# KiCad board Erebus.kicad_pcb (continued)
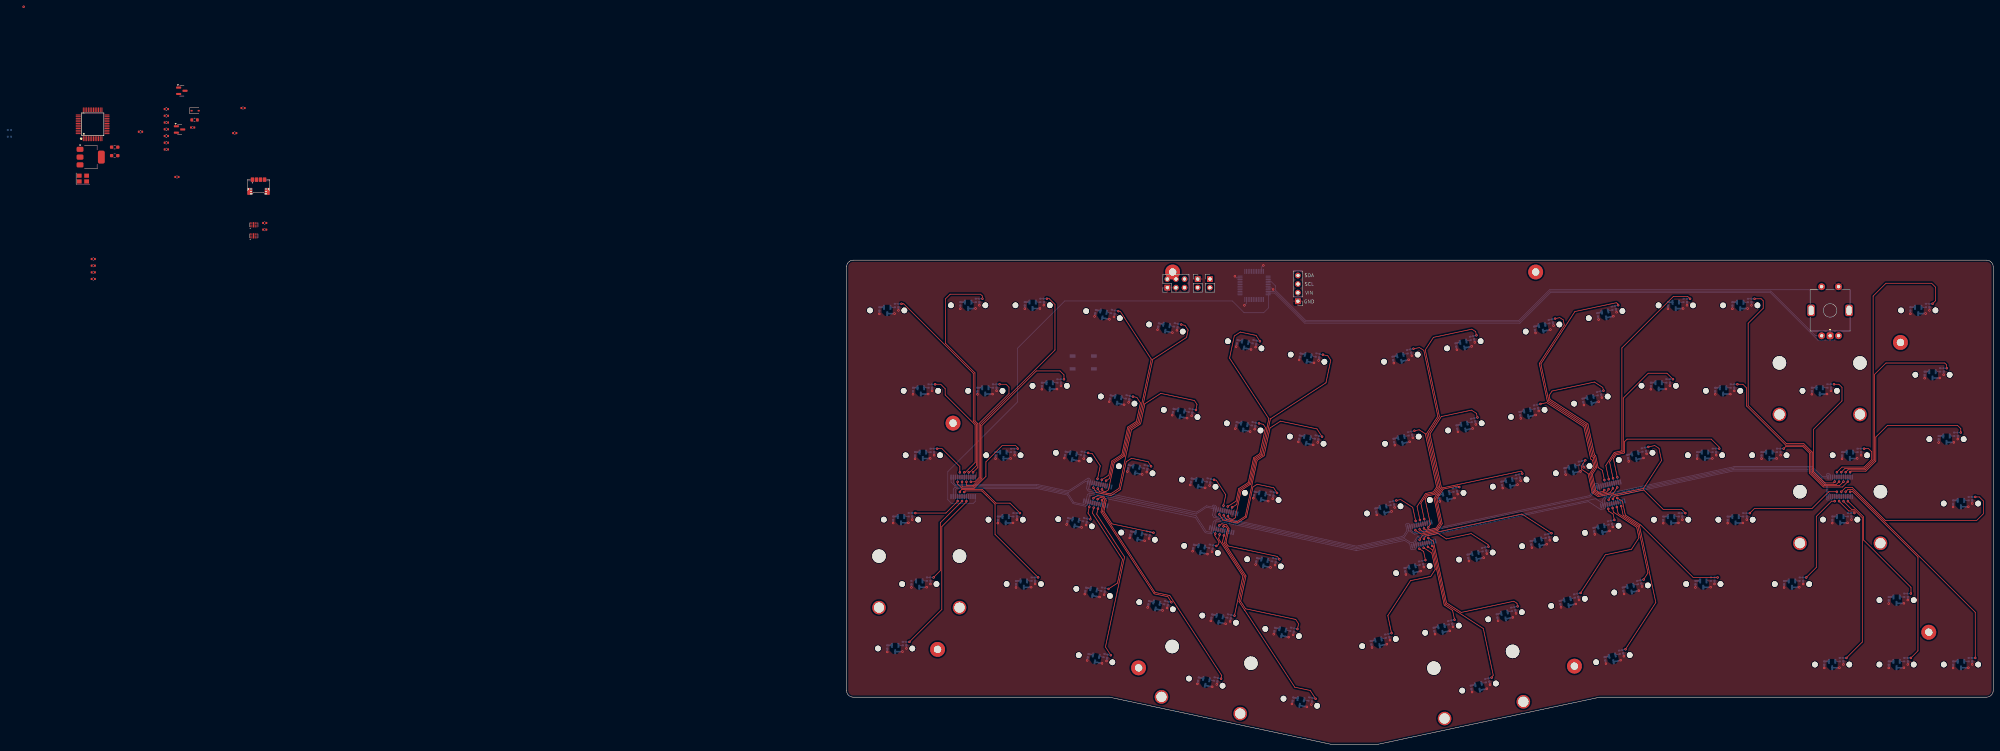
[diagram p0: board, top side]
## Placement (name value [footprint] x y rotation side) (continued)
U9  74HC4067  [TSSOP-24_4.4x7.8mm_P0.65mm]  170.1 62.18 102 bottom
U10  74HC4067  [TSSOP-24_4.4x7.8mm_P0.65mm]  225.97 74.06 102 bottom
U11  74HC4067  [TSSOP-24_4.4x7.8mm_P0.65mm]  293.83 76.15 90 bottom
USB1  X1224WRS-04-LPV01  [PicoEZMate-Reinforced-Alt]  -173.89 165.06 0 top
Y1  8MHz  [Crystal_SMD_3225-4Pin_3.2x2.5mm]  -225.83 167.34 0 top

## Library data of the parts
C1-C174 = -: ki_fp_filters: C_*
D1 = -: Datasheet: https://www.vishay.com/docs/85751/1n4148ws.pdf; Sim.Device: D; Sim.Pins: 1=K 2=A; ki_fp_filters: D*SOD?323*
ENCODER1 = -: ki_fp_filters: RotaryEncoder*Switch*
H1-H8 = -: Description: Mounting Hole without connection; ki_fp_filters: MountingHole*
JP1 JP2 = -: ki_fp_filters: Jumper* TestPoint*2Pads* TestPoint*Bridge*
OLED1 = -: ki_fp_filters: Connector*:*_1x??_*
Q1 Q2 = -: Datasheet: https://www.onsemi.com/pub/Collateral/NDS7002A-D.PDF; ki_fp_filters: SOT?23*
R1-R92 = -: ki_fp_filters: R_*
SWD1 = -: ki_fp_filters: Connector*:*_2x??_*
U1 = -: Datasheet: http://www.advanced-monolithic.com/pdf/ds1117.pdf; ki_fp_filters: SOT?223*TabPin2*
U2 U3 = -: Manufacturer: Texas Instruments; Manufacturer Part Number: TPD4E05U06DQAR; Package: uSON-10; LCSC Part Number: C138714; ki_fp_filters: USON*2.5x1.0mm*P0.5mm*
U4 = -: Datasheet: https://lcsc.com/product-detail/Other-Processors-and-Microcontrollers-MCUs_Artery-AT32F415CBT7_C528427.html; LCSC Part: C528427
U5 = -: Datasheet: https://www.st.com/resource/en/datasheet/stm32f303cb.pdf; ki_fp_filters: LQFP*7x7mm*P0.5mm*
U6-U11 = -: Datasheet: http://www.ti.com/lit/ds/symlink/cd74hc4067.pdf; ki_fp_filters: SOIC*W*7.5x15.4mm*P1.27mm*
USB1 = -: Manufacturer: XKB Connectivity; LCSC Part Number: C528030; ki_fp_filters: Connector*:*_1x??-1MP*
Y1 = -: Datasheet: https://datasheet.lcsc.com/lcsc/2304140030_YXC-X322516MLB4SI_C13738.pdf; ki_fp_filters: Crystal*

## Footprints (pads in the part's own frame, mm; a bottom-side part is the same pattern mirrored in y, then rotated)
C_0402_1005Metric
  rrect 0.56x0.62 smd: 1(-0.48,0) 2(0.48,0)
Crystal_SMD_3225-4Pin_3.2x2.5mm
  rect 1.4x1.2 smd: 1(-1.1,-0.85) 2(1.1,-0.85) 3(1.1,0.85) 4(-1.1,0.85)
D_SOD-323
  rrect 0.6x0.45 smd: 1(-1.05,0) 2(1.05,0)
DFN2510
  rect 0.2x0.675 smd: 1(-1,-0.438) 2(-0.5,-0.438) 4(0.5,-0.438) 5(1,-0.438) 6(1,0.438) 7(0.5,0.438) 9(-0.5,0.438) 10(-1,0.438)
  rect 0.4x0.775 smd: 3(0,-0.388) 8(0,0.388)
LQFP-48_7x7mm_P0.5mm
  rrect 1.475x0.3 smd: 1(-4.163,2.75) 2(-4.162,2.25) 3(-4.162,1.75) 4(-4.162,1.25) 5(-4.162,0.75) 6(-4.162,0.25) 7(-4.162,-0.25) 8(-4.162,-0.75) 9(-4.162,-1.25) 10(-4.162,-1.75) 11(-4.162,-2.25) 12(-4.163,-2.75) 25(4.163,-2.75) 26(4.162,-2.25) 27(4.162,-1.75) 28(4.162,-1.25) 29(4.162,-0.75) 30(4.162,-0.25) 31(4.162,0.25) 32(4.162,0.75) 33(4.162,1.25) 34(4.162,1.75) 35(4.162,2.25) 36(4.163,2.75)
  rrect 0.3x1.475 smd: 13(-2.75,-4.163) 14(-2.25,-4.162) 15(-1.75,-4.162) 16(-1.25,-4.162) 17(-0.75,-4.162) 18(-0.25,-4.162) 19(0.25,-4.162) 20(0.75,-4.162) 21(1.25,-4.162) 22(1.75,-4.162) 23(2.25,-4.162) 24(2.75,-4.163) 37(2.75,4.163) 38(2.25,4.162) 39(1.75,4.162) 40(1.25,4.162) 41(0.75,4.162) 42(0.25,4.162) 43(-0.25,4.162) 44(-0.75,4.162) 45(-1.25,4.162) 46(-1.75,4.162) 47(-2.25,4.162) 48(-2.75,4.163)
LQFP-48_L7.0-W7.0-P0.50-LS9.0-BL
  oval 0.27x1.5 smd: 1(-2.75,-4.25) 2(-2.25,-4.25) 3(-1.75,-4.25) 4(-1.25,-4.25) 5(-0.75,-4.25) 6(-0.25,-4.25) 7(0.25,-4.25) 8(0.75,-4.25) 9(1.25,-4.25) 10(1.75,-4.25) 11(2.25,-4.25) 12(2.75,-4.25) 25(2.75,4.25) 26(2.25,4.25) 27(1.75,4.25) 28(1.25,4.25) 29(0.75,4.25) 30(0.25,4.25) 31(-0.25,4.25) 32(-0.75,4.25) 33(-1.25,4.25) 34(-1.75,4.25) 35(-2.25,4.25) 36(-2.75,4.25)
  oval 1.5x0.27 smd: 13(4.25,-2.75) 14(4.25,-2.25) 15(4.25,-1.75) 16(4.25,-1.25) 17(4.25,-0.75) 18(4.25,-0.25) 19(4.25,0.25) 20(4.25,0.75) 21(4.25,1.25) 22(4.25,1.75) 23(4.25,2.25) 24(4.25,2.75) 37(-4.25,2.75) 38(-4.25,2.25) 39(-4.25,1.75) 40(-4.25,1.25) 41(-4.25,0.75) 42(-4.25,0.25) 43(-4.25,-0.25) 44(-4.25,-0.75) 45(-4.25,-1.25) 46(-4.25,-1.75) 47(-4.25,-2.25) 48(-4.25,-2.75)
MountingHole_2.2mm_M2_Pad
  round 4.4 hole 2.2: 1(0,0)
OLED Module
  rect 1.7x1.7 hole 1: 1(0,-3.81)
  oval 1.7x1.7 hole 1: 2(0,-1.27) 3(0,1.27) 4(0,3.81)
PicoEZMate-Reinforced-Alt
  rrect 0.7x1 smd: (-2.95,-2) (2.95,-2)
  rrect 0.75x1.2 smd: (-1.8,2) (-0.6,2) (0.6,2) (1.8,2)
  rrect 1x1.3 smd: 1(-1.8,1.95) 2(-0.6,1.95) 3(0.6,1.95) 4(1.8,1.95)
  round 0.6 hole 0.4: MP(-3,-0.8) MP(-2.2,-0.8) MP(-2.2,-1.5) MP(-2.2,-2.2) MP(2.2,-0.8) MP(2.2,-1.5) MP(2.2,-2.2) MP(2.95,-0.8)
  rrect 1.45x2 smd: MP(-2.575,-1.5) MP(2.575,-1.5)
  rrect 1.45x2 smd far side: MP(-2.575,-1.5) MP(2.575,-1.5)
PinHeader_1x02_P2.54mm_Vertical
  rect 1.7x1.7 hole 1: 1(0,0)
  oval 1.7x1.7 hole 1: 2(0,-2.54)
PinHeader_2x03_P2.54mm_Vertical
  rect 1.7x1.7 hole 1: 1(0,0)
  oval 1.7x1.7 hole 1: 2(2.54,0) 3(0,-2.54) 4(2.54,-2.54) 5(0,-5.08) 6(2.54,-5.08)
R_0402_1005Metric
  rrect 0.54x0.64 smd: 1(-0.51,0) 2(0.51,0)
R_0603_1608Metric
  rrect 0.8x0.95 smd: 1(-0.825,0) 2(0.825,0)
R_0603_1608Metric_Pad0.98x0.95mm_HandSolder
  rrect 0.975x0.95 smd: 1(-0.912,0) 2(0.912,0)
ROT_Alps_EC11E-Switch
  round 2 hole 1: A(-2.5,-7.5) B(2.5,-7.5) S1(2.5,7) S2(-2.5,7)
  rrect 2x2 hole 1: C(0,-7.5)
  rrect 2.2x3.4 hole 1.5x2.8: MP(-5.6,0) MP(5.6,0)
SLSS49E-3 with MX holes
  round 1.7 hole 1.75 unplated: (-5.08,0) (5.08,0)
  rrect 0.6x1.475 smd: 1(0.95,0.918) 2(0,-0.958) 3(-0.95,0.917)
SOT-23
  rrect 1.475x0.6 smd: 1(-0.938,0.95) 2(-0.938,-0.95) 3(0.938,0)
SOT-223-3_TabPin2
  rrect 2x1.5 smd: 1(-3.15,2.3) 2(-3.15,0) 3(-3.15,-2.3)
  rrect 2x3.8 smd: 2(3.15,0)
STAB_MX_P_2.25u
  round 4 hole 3.048: (-11.906,6.985) (11.906,6.985)
  round 3.988 hole 3.988 unplated: (-11.906,-8.255) (11.906,-8.255)
STAB_MX_P_2.75u
  round 4 hole 3.048: (-11.906,6.985) (11.906,6.985)
  round 3.988 hole 3.988 unplated: (-11.906,-8.255) (11.906,-8.255)
STAB_MX_P_2u
  round 4 hole 3.048: (-11.906,6.985) (11.906,6.985)
  round 3.988 hole 3.988 unplated: (-11.906,-8.255) (11.906,-8.255)
SW_SPST_TL3342
  rect 1.7x1 smd: 1(-3.15,1.9) 1(3.15,1.9) 2(-3.15,-1.9) 2(3.15,-1.9)
TSSOP-24_4.4x7.8mm_P0.65mm
  rrect 1.475x0.4 smd: 1(-2.862,3.575) 2(-2.862,2.925) 3(-2.862,2.275) 4(-2.862,1.625) 5(-2.862,0.975) 6(-2.862,0.325) 7(-2.862,-0.325) 8(-2.862,-0.975) 9(-2.862,-1.625) 10(-2.863,-2.275) 11(-2.863,-2.925) 12(-2.862,-3.575) 13(2.862,-3.575) 14(2.862,-2.925) 15(2.862,-2.275) 16(2.862,-1.625) 17(2.862,-0.975) 18(2.862,-0.325) 19(2.862,0.325) 20(2.862,0.975) 21(2.862,1.625) 22(2.863,2.275) 23(2.863,2.925) 24(2.862,3.575)

## Nets
+3V3: C2.2 C5.1 C6.1 C7.1 C8.1 C9.1 C10.1 C11.2 C13.2 C15.2 C17.2 C19.2 C21.2 C23.2 C25.2 C27.2 C29.2 C31.2 C33.2 C35.2 C37.2 C39.2 C41.2 C43.2 C45.2 C47.2 C49.2 C51.2 C53.2 C55.2 C57.2 C59.2 C61.2 C63.2 C65.2 C67.2 C69.2 C71.2 C73.2 C75.2 C77.2 C79.2 C81.2 C83.2 C85.2 C87.2 C89.2 C91.2 C93.2 C95.2 C97.2 C99.2 C101.2 C103.2 C105.2 C107.2 C109.2 C111.2 C113.2 C115.2 C117.2 C119.2 C121.2 C123.2 C125.2 C127.2 C129.2 C131.2 C133.2 C135.2 C137.2 C139.2 C141.2 C143.2 C145.2 C147.2 C149.2 C151.2 C153.2 C155.2 C157.2 C159.2 C161.2 C163.2 C165.2 C167.2 C171.2 C173.2 JP2.1 OLED1.2 R3.1 SW1.1 SW2.1 SW3.1 SW4.1 SW5.1 SW6.1 SW7.1 SW8.1 SW9.1 SW10.1 SW11.1 SW12.1 SW13.1 SW14.1 SW15.1 SW16.1 SW17.1 SW18.1 SW19.1 SW20.1 SW21.1 SW22.1 SW23.1 SW24.1 SW25.1 SW26.1 SW27.1 SW28.1 SW29.1 SW30.1 SW31.1 SW32.1 SW33.1 SW34.1 SW35.1 SW36.1 SW37.1 SW38.1 SW39.1 SW40.1 SW41.1 SW42.1 SW43.1 SW44.1 SW45.1 SW46.1 SW47.1 SW48.1 SW49.1 SW50.1 SW51.1 SW52.1 SW53.1 SW54.1 SW55.1 SW56.1 SW57.1 SW58.1 SW59.1 SW60.1 SW61.1 SW62.1 SW63.1 SW64.1 SW65.1 SW66.1 SW67.1 SW68.1 SW69.1 SW70.1 SW71.1 SW72.1 SW73.1 SW74.1 SW75.1 SW76.1 SW77.1 SW78.1 SW79.1 SW80.1 SW81.1 SW82.1 SWD1.5 U1.2 U4.1 U6.24 U7.24 U8.24 U9.24 U10.24 U11.24
+5V: C1.2 U1.3 USB1.1
GND: C1.1 C2.1 C3.2 C4.2 C5.2 C6.2 C7.2 C8.2 C9.2 C10.2 C11.1 C12.2 C13.1 C14.2 C15.1 C16.2 C17.1 C18.2 C19.1 C20.2 C21.1 C22.2 C23.1 C24.2 C25.1 C26.2 C27.1 C28.2 C29.1 C30.2 C31.1 C32.2 C33.1 C34.2 C35.1 C36.2 C37.1 C38.2 C39.1 C40.2 C41.1 C42.2 C43.1 C44.2 C45.1 C46.2 C47.1 C48.2 C49.1 C50.2 C51.1 C52.2 C53.1 C54.2 C55.1 C56.2 C57.1 C58.2 C59.1 C60.2 C61.1 C62.2 C63.1 C64.2 C65.1 C66.2 C67.1 C68.2 C69.1 C70.2 C71.1 C72.2 C73.1 C74.2 C75.1 C76.2 C77.1 C78.2 C79.1 C80.2 C81.1 C82.2 C83.1 C84.2 C85.1 C86.2 C87.1 C88.2 C89.1 C90.2 C91.1 C92.2 C93.1 C94.2 C95.1 C96.2 C97.1 C98.2 C99.1 C100.2 C101.1 C102.2 C103.1 C104.2 C105.1 C106.2 C107.1 C108.2 C109.1 C110.2 C111.1 C112.2 C113.1 C114.2 C115.1 C116.2 C117.1 C118.2 C119.1 C120.2 C121.1 C122.2 C123.1 C124.2 C125.1 C126.2 C127.1 C128.2 C129.1 C130.2 C131.1 C132.2 C133.1 C134.2 C135.1 C136.2 C137.1 C138.2 C139.1 C140.2 C141.1 C142.2 C143.1 C144.2 C145.1 C146.2 C147.1 C148.2 C149.1 C150.2 C151.1 C152.2 C153.1 C154.2 C155.1 C156.2 C157.1 C158.2 C159.1 C160.2 C161.1 C162.2 C163.1 C164.2 C165.1 C166.2 C167.1 C168.2 C169.2 C170.2 C171.1 C172.2 C173.1 C174.2 ENCODER1.C ENCODER1.S1 JP1.1 OLED1.1 Q1.2 Q2.2 R84.2 R87.2 R90.2 SW2.2 SW3.2 SW4.2 SW5.2 SW6.2 SW7.2 SW8.2 SW9.2 SW10.2 SW11.2 SW12.2 SW13.2 SW14.2 SW15.2 SW16.2 SW17.2 SW18.2 SW19.2 SW20.2 SW21.2 SW22.2 SW23.2 SW24.2 SW25.2 SW26.2 SW27.2 SW28.2 SW29.2 SW30.2 SW31.2 SW32.2 SW33.2 SW34.2 SW35.2 SW36.2 SW37.2 SW38.2 SW39.2 SW40.2 SW41.2 SW42.2 SW43.2 SW44.2 SW45.2 SW46.2 SW47.2 SW48.2 SW49.2 SW50.2 SW51.2 SW52.2 SW53.2 SW54.2 SW55.2 SW56.2 SW57.2 SW58.2 SW59.2 SW60.2 SW61.2 SW62.2 SW63.2 SW64.2 SW65.2 SW66.2 SW67.2 SW68.2 SW69.2 SW70.2 SW71.2 SW72.2 SW73.2 SW74.2 SW75.2 SW76.2 SW77.2 SW78.2 SW79.2 SW80.2 SW81.2 SW82.2 SWD1.1 SWD1.3 U1.1 U2.3 U2.8 U3.3 U3.8 U4.8 U4.23 U5.8 U5.23 U5.35 U5.47 U6.12 U6.15 U7.12 U7.15 U8.12 U8.15 U9.12 U9.15 U10.12 U10.15 U11.12 U11.15 USB1.4 USB1.MP Y1.2 Y1.4
/ADC1_IN3: U4.13 U5.12 U7.1
/ADC1_IN4: U4.14 U5.13 U6.1
/ADC1_IN5: U4.15 U8.1
/ADC1_IN6: U4.16 U9.1
/ADC1_IN7: U4.17 U10.1
/ADC1_IN8: U4.18 U11.1
/ADC2_IN3: U5.16
/ADC2_IN4: U5.17
/ADC4_IN3: U4.25 U5.27
/ADC4_IN4: U4.26 U5.25
/BOOT0: C169.1 JP2.2 R83.2 R84.1 R85.2 U4.44 U5.44
/ENCODER_A: ENCODER1.A U4.10 U5.10
/ENCODER_B: ENCODER1.B U4.11 U5.11
/ENCODER_SW: ENCODER1.S2 U4.4 U5.4
/EWSB_D+: R2.2 R3.2 U3.9 U3.10 USB1.3
/EWSB_D-: R1.2 U3.4 U3.5 U3.6 U3.7 USB1.2
/I2C1_SCL: OLED1.3 U2.4 U2.7 U4.35
/I2C1_SDA: OLED1.4 U2.5 U2.6 U4.36
/multiplexers/keys/KEYS_0_0: C12.1 R4.1 U7.21
/multiplexers/keys/KEYS_0_1: C14.1 R5.1 U7.23
/multiplexers/keys/KEYS_0_2: C16.1 R6.1 U7.20
/multiplexers/keys/KEYS_0_3: C18.1 R7.1 U6.21
/multiplexers/keys/KEYS_0_4: C20.1 R8.1 U6.20
/multiplexers/keys/KEYS_0_5: C22.1 R9.1 U8.21
/multiplexers/keys/KEYS_0_6: C24.1 R10.1 U8.20
/multiplexers/keys/KEYS_0_7: C26.1 R11.1 U9.21
/multiplexers/keys/KEYS_0_8: C28.1 R12.1 U9.22
/multiplexers/keys/KEYS_0_9: C30.1 R13.1 U10.18
/multiplexers/keys/KEYS_0_10: C32.1 R14.1 U10.16
/multiplexers/keys/KEYS_0_11: C34.1 R15.1 U10.19
/multiplexers/keys/KEYS_0_12: C36.1 R16.1 U11.18
/multiplexers/keys/KEYS_0_13: C38.1 R17.1 U11.19
/multiplexers/keys/KEYS_1_0: C40.1 R18.1 U7.19
/multiplexers/keys/KEYS_1_1: C42.1 R19.1 U7.22
/multiplexers/keys/KEYS_1_2: C44.1 R20.1 U7.18
/multiplexers/keys/KEYS_1_3: C46.1 R21.1 U6.19
/multiplexers/keys/KEYS_1_4: C48.1 R22.1 U6.18
/multiplexers/keys/KEYS_1_5: C50.1 R23.1 U8.19
/multiplexers/keys/KEYS_1_6: C52.1 R24.1 U8.18
/multiplexers/keys/KEYS_1_7: C54.1 R25.1 U9.19
/multiplexers/keys/KEYS_1_8: C56.1 R26.1 U9.20
/multiplexers/keys/KEYS_1_9: C58.1 R27.1 U10.20
/multiplexers/keys/KEYS_1_10: C60.1 R28.1 U10.17
/multiplexers/keys/KEYS_1_11: C62.1 R29.1 U10.21
/multiplexers/keys/KEYS_1_12: C64.1 R30.1 U11.20
/multiplexers/keys/KEYS_1_13: C66.1 R31.1 U11.16
/multiplexers/keys/KEYS_1_14: C68.1 R32.1 U11.21
/multiplexers/keys/KEYS_2_0: C70.1 R33.1 U7.17
/multiplexers/keys/KEYS_2_1: C72.1 R34.1 U7.16
/multiplexers/keys/KEYS_2_2: C74.1 R35.1 U6.17
/multiplexers/keys/KEYS_2_3: C76.1 R36.1 U6.16
/multiplexers/keys/KEYS_2_4: C78.1 R37.1 U8.17
/multiplexers/keys/KEYS_2_5: C80.1 R38.1 U8.16
/multiplexers/keys/KEYS_2_6: C82.1 R39.1 U9.17
/multiplexers/keys/KEYS_2_7: C84.1 R40.1 U9.16
/multiplexers/keys/KEYS_2_8: C86.1 R41.1 U9.18
/multiplexers/keys/KEYS_2_9: C88.1 R42.1 U10.22
/multiplexers/keys/KEYS_2_10: C90.1 R43.1 U10.8
/multiplexers/keys/KEYS_2_11: C92.1 R44.1 U10.23
/multiplexers/keys/KEYS_2_12: C94.1 R45.1 U11.22
/multiplexers/keys/KEYS_2_13: C96.1 R46.1 U11.17
/multiplexers/keys/KEYS_2_14: C98.1 R47.1 U11.23
/multiplexers/keys/KEYS_3_0: C100.1 R48.1 U7.9
/multiplexers/keys/KEYS_3_1: C102.1 R49.1 U7.8
/multiplexers/keys/KEYS_3_2: C104.1 R50.1 U6.9
/multiplexers/keys/KEYS_3_3: C106.1 R51.1 U6.8
/multiplexers/keys/KEYS_3_4: C108.1 R52.1 U8.9
/multiplexers/keys/KEYS_3_5: C110.1 R53.1 U8.8
/multiplexers/keys/KEYS_3_6: C112.1 R54.1 U9.9
/multiplexers/keys/KEYS_3_7: C114.1 R55.1 U9.6
/multiplexers/keys/KEYS_3_8: C116.1 R56.1 U9.8
/multiplexers/keys/KEYS_3_9: C118.1 R57.1 U10.9
/multiplexers/keys/KEYS_3_10: C120.1 R58.1 U10.6
/multiplexers/keys/KEYS_3_11: C122.1 R59.1 U11.8
/multiplexers/keys/KEYS_3_12: C124.1 R60.1 U11.7
/multiplexers/keys/KEYS_3_13: C126.1 R61.1 U11.6
/multiplexers/keys/KEYS_4_0: C128.1 R62.1 U7.7
/multiplexers/keys/KEYS_4_1: C130.1 R63.1 U7.6
/multiplexers/keys/KEYS_4_2: C132.1 R64.1 U6.7
/multiplexers/keys/KEYS_4_3: C134.1 R65.1 U6.4
/multiplexers/keys/KEYS_4_4: C136.1 R66.1 U8.7
/multiplexers/keys/KEYS_4_5: C138.1 R67.1 U8.6
/multiplexers/keys/KEYS_4_6: C174.1 R92.1 U9.7
/multiplexers/keys/KEYS_4_7: C140.1 R68.1 U9.5
/multiplexers/keys/KEYS_4_8: C142.1 R69.1 U9.4
/multiplexers/keys/KEYS_4_9: C144.1 R70.1 U10.7
/multiplexers/keys/KEYS_4_10: C146.1 R71.1 U10.5
/multiplexers/keys/KEYS_4_11: C148.1 R72.1 U10.4
/multiplexers/keys/KEYS_4_12: C150.1 R73.1 U11.9
/multiplexers/keys/KEYS_4_13: C152.1 R74.1 U11.3
/multiplexers/keys/KEYS_5_0: C154.1 R75.1 U7.5
/multiplexers/keys/KEYS_5_1: C156.1 R76.1 U6.5
/multiplexers/keys/KEYS_5_2: C158.1 R77.1 U6.6
/multiplexers/keys/KEYS_5_3: C160.1 R78.1 U8.5
/multiplexers/keys/KEYS_5_4: C162.1 R79.1 U9.3
/multiplexers/keys/KEYS_5_5: C164.1 R80.1 U10.3
/multiplexers/keys/KEYS_5_6: C166.1 R81.1 U11.5
/multiplexers/keys/KEYS_5_7: C168.1 R82.1 U11.2
/multiplexers/keys/KEYS_5_8: C172.1 R91.1 U11.4
/reset/switch: D1.2 R89.1 SW1.2
/S0: U4.22 U5.22 U6.10 U7.10 U8.10 U9.10 U10.10 U11.10
/S1: U4.21 U5.21 U6.11 U7.11 U8.11 U9.11 U10.11 U11.11
/S2: U4.19 U5.19 U6.14 U7.14 U8.14 U9.14 U10.14 U11.14
/S3: U4.20 U5.20 U6.13 U7.13 U8.13 U9.13 U10.13 U11.13
/SWCLK: SWD1.4 U2.1 U2.10 U4.37
/SWDIO: SWD1.6 U4.34
/SWO: SWD1.2 U2.2 U2.9 U4.39
/USB_D+: R2.1 U4.33
/USB_D-: R1.1 U4.32
/XTAL1: C3.1 U4.5 Y1.3
/XTAL2: C4.1 U4.6 Y1.1
/~{RESET}: C170.1 JP1.2 R88.2 U4.7 U5.7
Net-(D1-K): D1.1 R83.1
Net-(Q1-D): Q1.3 R85.1
Net-(Q1-G): Q1.1 R86.2 R87.1
Net-(Q2-D): Q2.3 R86.1 R88.1
Net-(Q2-G): Q2.1 R89.2 R90.1
Net-(SW2-VOUT): R4.2 SW2.3
Net-(SW3-VOUT): R5.2 SW3.3
Net-(SW4-VOUT): R6.2 SW4.3
Net-(SW5-VOUT): R7.2 SW5.3
Net-(SW6-VOUT): R8.2 SW6.3
Net-(SW7-VOUT): R9.2 SW7.3
Net-(SW8-VOUT): R10.2 SW8.3
Net-(SW9-VOUT): R11.2 SW9.3
Net-(SW10-VOUT): R12.2 SW10.3
Net-(SW11-VOUT): R13.2 SW11.3
Net-(SW12-VOUT): R14.2 SW12.3
Net-(SW13-VOUT): R15.2 SW13.3
Net-(SW14-VOUT): R16.2 SW14.3
Net-(SW15-VOUT): R17.2 SW15.3
Net-(SW16-VOUT): R18.2 SW16.3
Net-(SW17-VOUT): R19.2 SW17.3
Net-(SW18-VOUT): R20.2 SW18.3
Net-(SW19-VOUT): R21.2 SW19.3
Net-(SW20-VOUT): R22.2 SW20.3
Net-(SW21-VOUT): R23.2 SW21.3
Net-(SW22-VOUT): R24.2 SW22.3
Net-(SW23-VOUT): R25.2 SW23.3
Net-(SW24-VOUT): R26.2 SW24.3
Net-(SW25-VOUT): R27.2 SW25.3
Net-(SW26-VOUT): R28.2 SW26.3
Net-(SW27-VOUT): R29.2 SW27.3
Net-(SW28-VOUT): R30.2 SW28.3
Net-(SW29-VOUT): R31.2 SW29.3
Net-(SW30-VOUT): R32.2 SW30.3
Net-(SW31-VOUT): R33.2 SW31.3
Net-(SW32-VOUT): R34.2 SW32.3
Net-(SW33-VOUT): R35.2 SW33.3
Net-(SW34-VOUT): R36.2 SW34.3
Net-(SW35-VOUT): R37.2 SW35.3
Net-(SW36-VOUT): R38.2 SW36.3
Net-(SW37-VOUT): R39.2 SW37.3
Net-(SW38-VOUT): R40.2 SW38.3
Net-(SW39-VOUT): R41.2 SW39.3
Net-(SW40-VOUT): R42.2 SW40.3
Net-(SW41-VOUT): R43.2 SW41.3
Net-(SW42-VOUT): R44.2 SW42.3
Net-(SW43-VOUT): R45.2 SW43.3
Net-(SW44-VOUT): R46.2 SW44.3
Net-(SW45-VOUT): R47.2 SW45.3
Net-(SW46-VOUT): R48.2 SW46.3
Net-(SW47-VOUT): R49.2 SW47.3
Net-(SW48-VOUT): R50.2 SW48.3
Net-(SW49-VOUT): R51.2 SW49.3
Net-(SW50-VOUT): R52.2 SW50.3
Net-(SW51-VOUT): R53.2 SW51.3
Net-(SW52-VOUT): R54.2 SW52.3
Net-(SW53-VOUT): R55.2 SW53.3
Net-(SW54-VOUT): R56.2 SW54.3
Net-(SW55-VOUT): R57.2 SW55.3
Net-(SW56-VOUT): R58.2 SW56.3
Net-(SW57-VOUT): R59.2 SW57.3
Net-(SW58-VOUT): R60.2 SW58.3
Net-(SW59-VOUT): R61.2 SW59.3
Net-(SW60-VOUT): R62.2 SW60.3
Net-(SW61-VOUT): R63.2 SW61.3
Net-(SW62-VOUT): R64.2 SW62.3
Net-(SW63-VOUT): R65.2 SW63.3
Net-(SW64-VOUT): R66.2 SW64.3
Net-(SW65-VOUT): R67.2 SW65.3
Net-(SW66-VOUT): R68.2 SW66.3
Net-(SW67-VOUT): R69.2 SW67.3
Net-(SW68-VOUT): R70.2 SW68.3
Net-(SW69-VOUT): R71.2 SW69.3
Net-(SW70-VOUT): R72.2 SW70.3
Net-(SW71-VOUT): R73.2 SW71.3
Net-(SW72-VOUT): R74.2 SW72.3
Net-(SW73-VOUT): R75.2 SW73.3
Net-(SW74-VOUT): R76.2 SW74.3
Net-(SW75-VOUT): R77.2 SW75.3
Net-(SW76-VOUT): R78.2 SW76.3
Net-(SW77-VOUT): R79.2 SW77.3
Net-(SW78-VOUT): R80.2 SW78.3
Net-(SW79-VOUT): R81.2 SW79.3
Net-(SW80-VOUT): R82.2 SW80.3
Net-(SW81-VOUT): R91.2 SW81.3
Net-(SW82-VOUT): R92.2 SW82.3

Pads without a net: ENCODER1 MP; H1 1; H2 1; H3 1; H4 1; H5 1; H6 1; H7 1; H8 1; U3 1 2; U4 2 3 9 12 24 27 28 29 30 31 38 40 41 42 43 45 46 47 48; U5 1 2 3 5 6 9 14 15 18 24 26 28 29 30 31 32 33 34 36 37 38 39 40 41 42 43 45 46 48; U6 2 3 22 23; U7 2 3 4; U8 2 3 4 22 23; U9 2 23; U10 2

## Via types
v1: diameter 0.7, hole 0.3, Top to Bottom, 410 vias

## Routing (per net, layer and track width the routed paths; a pad name or vN(x,y) marks a point on that pad's centre or on a via; arc(x,y) is an arc through that point)
+3V3: length 110.1
  Bottom w0.5: SW55.1 222.2,64.28 C117.2 ; C19.2 93.69,124.23 SW6.1 ; C121.2 261.92,67.35 SW57.1 ; SW2.1 11.05,129.26 C11.2 ; SW5.1 75.07,128.18 C17.2 ; SW59.1 328.58,72.13 C125.2 ; SW33.1 66.13,86.26 C73.2 ; C69.2 21.61,86.41 SW31.1 ; SW71.1 278.61,48.31 C149.2 ; SW58.1 292.87,67.37 C123.2 ; SW77.1 185.9,17.62 C161.2 ; C137.2 128.06,34.16 SW65.1 ; SW38.1 176.34,74.01 C83.2 ; C21.2 116.96,119.27 SW7.1 ; SW82.1 156.31,30.79 C173.2 ; SW32.1 45.42,86.41 C71.2 ; SW62.1 72.16,46.02 C131.2 ; SW4.1 54.06,130.78 C15.2 ; C103.2 66.83,66.62 SW48.1 ; SW20.1 98.05,98.95 C47.2 ; C35.2 263.31,130.76 SW14.1 ; SW80.1 309.54,24.51 C167.2 ; SW11.1 204.68,123.83 C29.2 ; C97.2 324.31,91.18 SW45.1 ; C115.2 203.59,60.34 SW54.1 ; C45.2 79.42,102.92 SW19.1 ; C81.2 157.72,70.03 SW37.1 ; SW47.1 46.09,67.36 C101.2 ; C25.2 162.77,114.92 SW9.1 ; C77.2 103.38,78.32 SW35.1 ; C59.2 218.97,102.51 SW26.1 ; SW30.1 320.16,110.22 C67.2 ; SW67.1 193.58,38.72 C141.2 ; SW41.1 232.22,85.87 C89.2 ; SW56.1 242.87,67.35 C119.2 ; C13.2 34.99,130.77 SW3.1 ; SW43.1 271.93,86.42 C93.2 ; SW18.1 59.11,106.95 C43.2 ; C39.2 21.01,105.46 SW16.1 ; SW27.1 239.2,106.96 C61.2 ; C147.2 252.39,48.32 SW70.1 ; C113.2 184.96,56.37 SW53.1 ; C37.2 315.94,129.27 SW15.1 ; C163.2 225.49,26.03 SW78.1 ; SW13.1 244.25,130.76 C33.2 ; C65.2 286.81,105.47 SW29.1 ; C129.2 51.47,48.32 SW61.1 ; C95.2 295.74,86.41 SW44.1 ; C63.2 258.23,105.46 SW28.1 ; SW40.1 213.59,81.92 C87.2 ; SW49.1 85.46,62.66 C105.2 ; C155.2 72.88,26.4 SW74.1 ; SW23.1 163.07,90.65 C53.2 ; SW69.1 230.85,46.64 C145.2 ; SW79.1 290.48,24.51 C165.2 ; SW17.1 40.07,105.46 C41.2 ; SW39.1 194.96,77.96 C85.2 ; SW42.1 252.89,86.42 C91.2 ; SW46.1 15.14,67.37 C99.2 ; C49.2 116.69,94.98 SW21.1 ; C171.2 328.59,24.51 SW81.1 ; C135.2 109.43,38.11 SW64.1 ; C55.2 181.71,94.6 SW24.1 ; SW25.1 200.32,98.57 C57.2 ; SW50.1 104.05,58.74 C107.2 ; C133.2 90.78,42.08 SW63.1 ; C23.2 135.58,115.3 SW8.1 ; C151.2 309.54,43.56 SW72.1 ; SW68.1 212.2,42.68 C143.2 ; C111.2 166.33,52.39 SW52.1 ; C51.2 135.33,91.05 SW22.1 ; C159.2 133.43,13.54 SW76.1 ; SW66.1 174.94,34.74 C139.2 ; SW75.1 105.48,19.47 C157.2 ; C75.2 84.76,82.3 SW34.1 ; SW73.1 13.4,29.26 C153.2 ; C31.2 223.32,127.79 SW12.1 ; SW10.1 181.41,118.88 C27.2 ; SW51.1 122.7,54.78 C109.2 ; SW36.1 122.02,74.41 C79.2
GND: length 343.4
  Bottom w0.2: v1(117.64,129.84) 118.27,130.46 U5.23 ; v1(123.24,141.64) 122.77,141.16 U5.47 ; v1(114.84,138.44) 115.31,137.96 U5.35 ; U5.8 125.71,134.96 v1(126.14,134.54)
  Bottom w0.5: C44.2 63.39,106.03 v1(63.39,106.03) ; v1(120.95,117.48) 120.95,117.48 C22.2 ; SW5.2 77.74,125.69 v1(77.75,125.69) ; SW43.2 275.05,84.54 v1(275.06,84.54) ; v1(319.08,127.39) 319.07,127.39 SW15.2 ; C87.1 v1(212.66,79.73) ; v1(62.25,105.07) 62.24,105.06 SW18.2 ; C20.2 97.68,122.45 v1(97.69,122.44) ; v1(167.15,114.91) 167.15,114.91 C26.2 ; C80.2 126.02,72.62 v1(126.02,72.62) ; v1(199.33,77.95) 199.33,77.95 C86.2 ; C124.2 297.14,66.46 v1(297.15,66.45) ; C52.2 139.33,89.26 v1(139.33,89.26) ; C100.2 19.42,66.46 v1(19.42,66.45) ; v1(48.55,84.53) 48.55,84.52 SW32.2 ; C161.1 v1(184.98,15.43) ; C159.1 v1(131.69,11.91) ; v1(70.83,64.83) 70.82,64.84 C104.2 ; SW64.2 112.09,35.62 v1(112.1,35.63) ; C40.2 25.29,104.54 v1(25.29,104.54) ; C147.1 v1(251.03,46.37) ; C29.1 v1(203.76,121.64) ; SW39.2 198.41,76.77 v1(198.41,76.78) ; v1(88.76,80.51) 88.76,80.51 C76.2 ; v1(70.13,84.47) 70.13,84.47 C74.2 ; C119.1 v1(241.51,65.39) ; v1(289.94,103.59) 289.94,103.59 SW29.2 ; C166.2 294.76,23.59 v1(294.76,23.59) ; C92.2 257.17,85.51 v1(257.17,85.5) ; C144.2 216.58,42.67 v1(216.58,42.67) ; C91.1 v1(251.53,84.47) ; v1(236.6,85.86) 236.59,85.86 C90.2 ; v1(96.37,121.74) 96.36,121.74 SW6.2 ; C60.2 223.35,102.5 v1(223.35,102.5) ; v1(281.74,46.43) 281.73,46.42 SW71.2 ; v1(197.04,37.53) 197.03,37.52 SW67.2 ; C136.2 113.42,36.33 v1(113.42,36.32) ; v1(79.07,126.39) 79.07,126.4 C18.2 ; C61.1 v1(237.84,105) ; SW82.2 159.76,29.59 v1(159.76,29.6) ; v1(291.09,104.55) 291.09,104.56 C66.2 ; SW69.2 234.3,45.45 v1(234.3,45.46) ; v1(24.15,103.58) 24.14,103.57 SW16.2 ; SW25.2 203.77,97.38 v1(203.77,97.39) ; v1(184.86,117.69) 184.86,117.69 SW10.2 ; C75.1 v1(83.03,80.67) ; SW78.2 228.94,24.84 v1(228.94,24.85) ; v1(23.68,46.44) 23.67,46.44 SW60.2 ; v1(235.67,84.69) 235.67,84.68 SW41.2 ; C126.2 332.86,71.22 v1(332.86,71.21) ; v1(83.41,101.13) 83.41,101.14 C46.2 ; v1(320.22,128.35) 320.22,128.36 C38.2 ; SW35.2 106.05,75.83 v1(106.06,75.83) ; C83.1 v1(175.41,71.82) ; SW76.2 136.1,11.04 v1(136.11,11.05) ; C127.1 v1(19.18,46.37) ; v1(265.05,65.47) 265.04,65.46 SW57.2 ; C39.1 v1(19.65,103.51) ; C153.1 v1(12.04,27.31) ; C23.1 v1(133.84,113.68) ; v1(167.44,90.64) 167.44,90.64 C54.2 ; C64.2 262.51,104.54 v1(262.51,104.54) ; v1(58.34,129.86) 58.33,129.87 C16.2 ; v1(49.7,85.49) 49.7,85.49 C72.2 ; v1(266.45,128.88) 266.44,128.87 SW14.2 ; SW42.2 256.01,84.54 v1(256.02,84.54) ; v1(138.01,88.56) 138,88.55 SW22.2 ; C140.2 179.32,34.73 v1(179.32,34.73) ; C17.1 v1(73.34,126.55) ; C67.1 v1(318.8,108.27) ; v1(209.06,123.82) 209.06,123.82 C30.2 ; C167.1 v1(308.18,22.56) ; C73.1 v1(64.39,84.63) ; SW75.2 108.14,16.98 v1(108.15,16.98) ; C149.1 v1(277.24,46.36) ; C99.1 v1(13.78,65.42) ; C130.2 55.74,47.41 v1(55.75,47.4) ; SW40.2 217.04,80.73 v1(217.04,80.74) ; C113.1 v1(184.04,54.18) ; C101.1 v1(44.73,65.41) ; SW80.2 312.67,22.62 v1(312.68,22.63) ; SW50.2 106.72,56.24 v1(106.73,56.25) ; SW17.2 43.19,103.57 v1(43.2,103.58) ; C109.1 v1(120.96,53.15) ; v1(69.51,64.14) 69.5,64.13 SW48.2 ; v1(178.4,33.56) 178.39,33.55 SW66.2 ; v1(125.37,52.29) 125.36,52.28 SW51.2 ; v1(331.71,70.26) 331.71,70.25 SW59.2 ; v1(207.97,60.34) 207.97,60.34 C116.2 ; v1(17.68,28.34) 17.68,28.34 C154.2 ; SW46.2 18.27,65.49 v1(18.28,65.49) ; C108.2 108.05,56.95 v1(108.05,56.95) ; C89.1 v1(231.29,83.68) ; SW47.2 49.22,65.47 v1(49.23,65.48) ; C128.2 24.82,47.41 v1(24.82,47.4) ; v1(82.09,100.43) 82.08,100.43 SW19.2 ; SW36.2 124.69,71.92 v1(124.7,71.92) ; v1(189.34,56.36) 189.34,56.36 C114.2 ; v1(226.58,64.27) 226.57,64.27 C118.2 ; v1(109.47,17.68) 109.47,17.68 C158.2 ; v1(247.15,66.43) 247.14,66.43 C120.2 ; SW55.2 225.65,63.09 v1(225.65,63.1) ; C37.1 v1(314.58,127.32) ; v1(100.72,96.46) 100.71,96.45 SW20.2 ; C138.2 132.05,32.38 v1(132.05,32.37) ; C62.2 243.47,106.04 v1(243.48,106.04) ; C152.2 313.82,42.64 v1(313.82,42.64) ; SW21.2 119.36,92.49 v1(119.37,92.5) ; v1(50.37,66.44) 50.37,66.44 C102.2 ; v1(229.86,26.02) 229.86,26.02 C164.2 ; C168.2 313.82,23.59 v1(313.82,23.59) ; C88.2 217.96,81.91 v1(217.97,81.91) ; SW2.2 14.18,127.37 v1(14.19,127.38) ; C79.1 v1(120.29,72.78) ; SW11.2 208.13,122.64 v1(208.14,122.65) ; v1(138.25,112.82) 138.24,112.81 SW8.2 ; C157.1 v1(103.74,17.84) ; C137.1 v1(126.32,32.54) ; SW77.2 189.35,16.43 v1(189.36,16.44) ; SW58.2 295.99,65.49 v1(296,65.49) ; C15.1 v1(52.7,128.83) ; C150.2 282.88,47.39 v1(282.89,47.39) ; v1(248.53,129.84) 248.53,129.84 C34.2 ; C69.1 v1(20.25,84.46) ; C65.1 v1(285.45,103.52) ; v1(215.66,41.49) 215.65,41.49 SW68.2 ; SW73.2 16.53,27.37 v1(16.54,27.38) ; C135.1 v1(107.69,36.49) ; C139.1 v1(174.02,32.55) ; v1(162.1,70.03) 162.09,70.03 C82.2 ; C96.2 300.01,85.49 v1(300.02,85.49) ; C51.1 v1(133.6,89.42) ; C155.1 v1(71.14,24.78) ; SW54.2 207.04,59.15 v1(207.05,59.16) ; SW34.2 87.43,79.8 v1(87.44,79.81) ; v1(267.59,129.84) 267.59,129.84 C36.2 ; v1(76.16,44.24) 76.16,44.24 C132.2 ; v1(166.52,89.46) 166.52,89.45 SW23.2 ; C35.1 v1(261.95,128.8) ; SW28.2 261.36,103.57 v1(261.37,103.58) ; v1(327.45,89.31) 327.44,89.3 SW45.2 ; SW44.2 298.86,84.52 v1(298.87,84.53) ; C141.1 v1(192.66,36.52) ; v1(188.42,55.19) 188.41,55.18 SW53.2 ; SW74.2 75.54,23.91 v1(75.55,23.92) ; v1(89.46,60.87) 89.45,60.88 C106.2 ; C131.1 v1(70.43,44.4) ; v1(54.6,46.44) 54.59,46.44 SW61.2 ; C70.2 25.89,85.49 v1(25.89,85.49) ; v1(247.39,128.88) 247.38,128.87 SW13.2 ; C146.2 235.22,46.63 v1(235.22,46.63) ; C156.2 76.87,24.62 v1(76.87,24.61) ; SW38.2 179.79,72.82 v1(179.79,72.83) ; v1(312.68,41.68) 312.67,41.67 SW72.2 ; v1(166.23,113.73) 166.22,113.72 SW9.2 ; C93.1 v1(270.56,84.47) ; SW26.2 222.42,101.31 v1(222.43,101.32) ; SW24.2 185.16,93.4 v1(185.17,93.41) ; SW3.2 38.12,128.89 v1(38.13,128.89) ; C143.1 v1(211.28,40.49) ; C57.1 v1(199.39,96.38) ; v1(323.29,108.34) 323.29,108.34 SW30.2 ; C110.2 126.69,52.99 v1(126.69,52.99) ; v1(137.43,11.75) 137.42,11.75 C160.2 ; C107.1 v1(102.32,57.11) ; C98.2 328.59,90.27 v1(328.59,90.26) ; v1(24.74,84.53) 24.73,84.52 SW31.2 ; SW65.2 130.72,31.67 v1(130.73,31.68) ; SW79.2 293.61,22.62 v1(293.61,22.63) ; v1(190.28,17.61) 190.28,17.61 C162.2 ; C81.1 v1(156.79,67.84) ; C48.2 102.04,97.16 v1(102.04,97.16) ; C122.2 266.19,66.43 v1(266.2,66.43) ; C45.1 v1(77.68,101.29) ; C28.2 185.78,118.87 v1(185.78,118.87) ; v1(39.27,129.85) 39.27,129.85 C14.2 ; v1(57.19,128.91) 57.18,128.9 SW4.2 ; v1(119.63,116.78) 119.62,116.77 SW7.2 ; v1(255.53,46.44) 255.52,46.44 SW70.2 ; SW81.2 331.72,22.62 v1(331.73,22.63) ; C42.2 44.34,104.54 v1(44.35,104.54) ; C32.2 227.69,127.79 v1(227.69,127.79) ; C142.2 197.96,38.71 v1(197.96,38.71) ; C25.1 v1(161.85,112.72) ; C33.1 v1(242.89,128.8) ; C78.2 107.37,76.54 v1(107.38,76.53) ; v1(170.71,52.39) 170.7,52.39 C112.2 ; C174.2 160.68,30.78 v1(160.68,30.78) ; C163.1 v1(224.56,23.84) ; C151.1 v1(308.18,41.61) ; C172.2 332.87,23.59 v1(332.87,23.59) ; C58.2 204.69,98.56 v1(204.69,98.56) ; C103.1 v1(65.09,65) ; C43.1 v1(57.75,104.99) ; v1(88.14,60.17) 88.13,60.17 SW49.2 ; C49.1 v1(114.95,93.36) ; C12.2 15.33,128.34 v1(15.33,128.34) ; SW37.2 161.17,68.84 v1(161.18,68.85) ; v1(94.78,40.29) 94.78,40.29 C134.2 ; v1(68.81,83.77) 68.8,83.76 SW33.2 ; v1(186.09,94.59) 186.08,94.59 C56.2 ; C97.1 v1(322.95,89.23) ; v1(324.44,109.3) 324.44,109.31 C68.2 ; v1(74.84,43.54) 74.83,43.53 SW62.2 ; C105.1 v1(83.72,61.03) ; C85.1 v1(194.03,75.77) ; C94.2 276.2,85.51 v1(276.21,85.5) ; C71.1 v1(44.06,84.46) ; v1(256.67,47.4) 256.67,47.41 C148.2 ; C77.1 v1(101.64,76.69) ; C115.1 v1(202.67,58.15) ; v1(120.69,93.19) 120.68,93.2 C50.2 ; C59.1 v1(218.05,100.32) ; C125.1 v1(327.22,70.18) ; C27.1 v1(180.48,116.69) ; C63.1 v1(256.87,103.51) ; C129.1 v1(50.1,46.37) ; C11.1 v1(9.69,127.31) ; SW12.2 226.77,126.6 v1(226.77,126.61) ; C95.1 v1(294.38,84.46) ; v1(180.72,74) 180.71,74 C84.2 ; C41.1 v1(38.7,103.51) ; C19.1 v1(91.95,122.6) ; v1(246,65.47) 245.99,65.46 SW56.2 ; C171.1 v1(327.23,22.56) ; v1(93.46,39.59) 93.45,39.58 SW63.2 ; C123.1 v1(291.51,65.42) ; C133.1 v1(89.05,40.45) ; C53.1 v1(162.14,88.45) ; SW52.2 169.78,51.2 v1(169.79,51.21) ; SW27.2 242.32,105.07 v1(242.33,105.08) ; C121.1 v1(260.56,65.39) ; C24.2 139.57,113.52 v1(139.57,113.51) ; C47.1 v1(96.31,97.32) ; C173.1 v1(155.38,28.59) ; C111.1 v1(165.4,50.2) ; C165.1 v1(289.12,22.56) ; C21.1 v1(115.22,117.64) ; C13.1 v1(33.63,128.82) ; C55.1 v1(180.78,92.4) ; C145.1 v1(229.92,44.45) ; C31.1 v1(222.39,125.6) ; C117.1 v1(221.27,62.09)
  vias: v1(-243.34,218.15)
